# Allegro board 1151864-PCIE3_0_X16-166-20240802_20240815_2000_pcb.brd (continued)
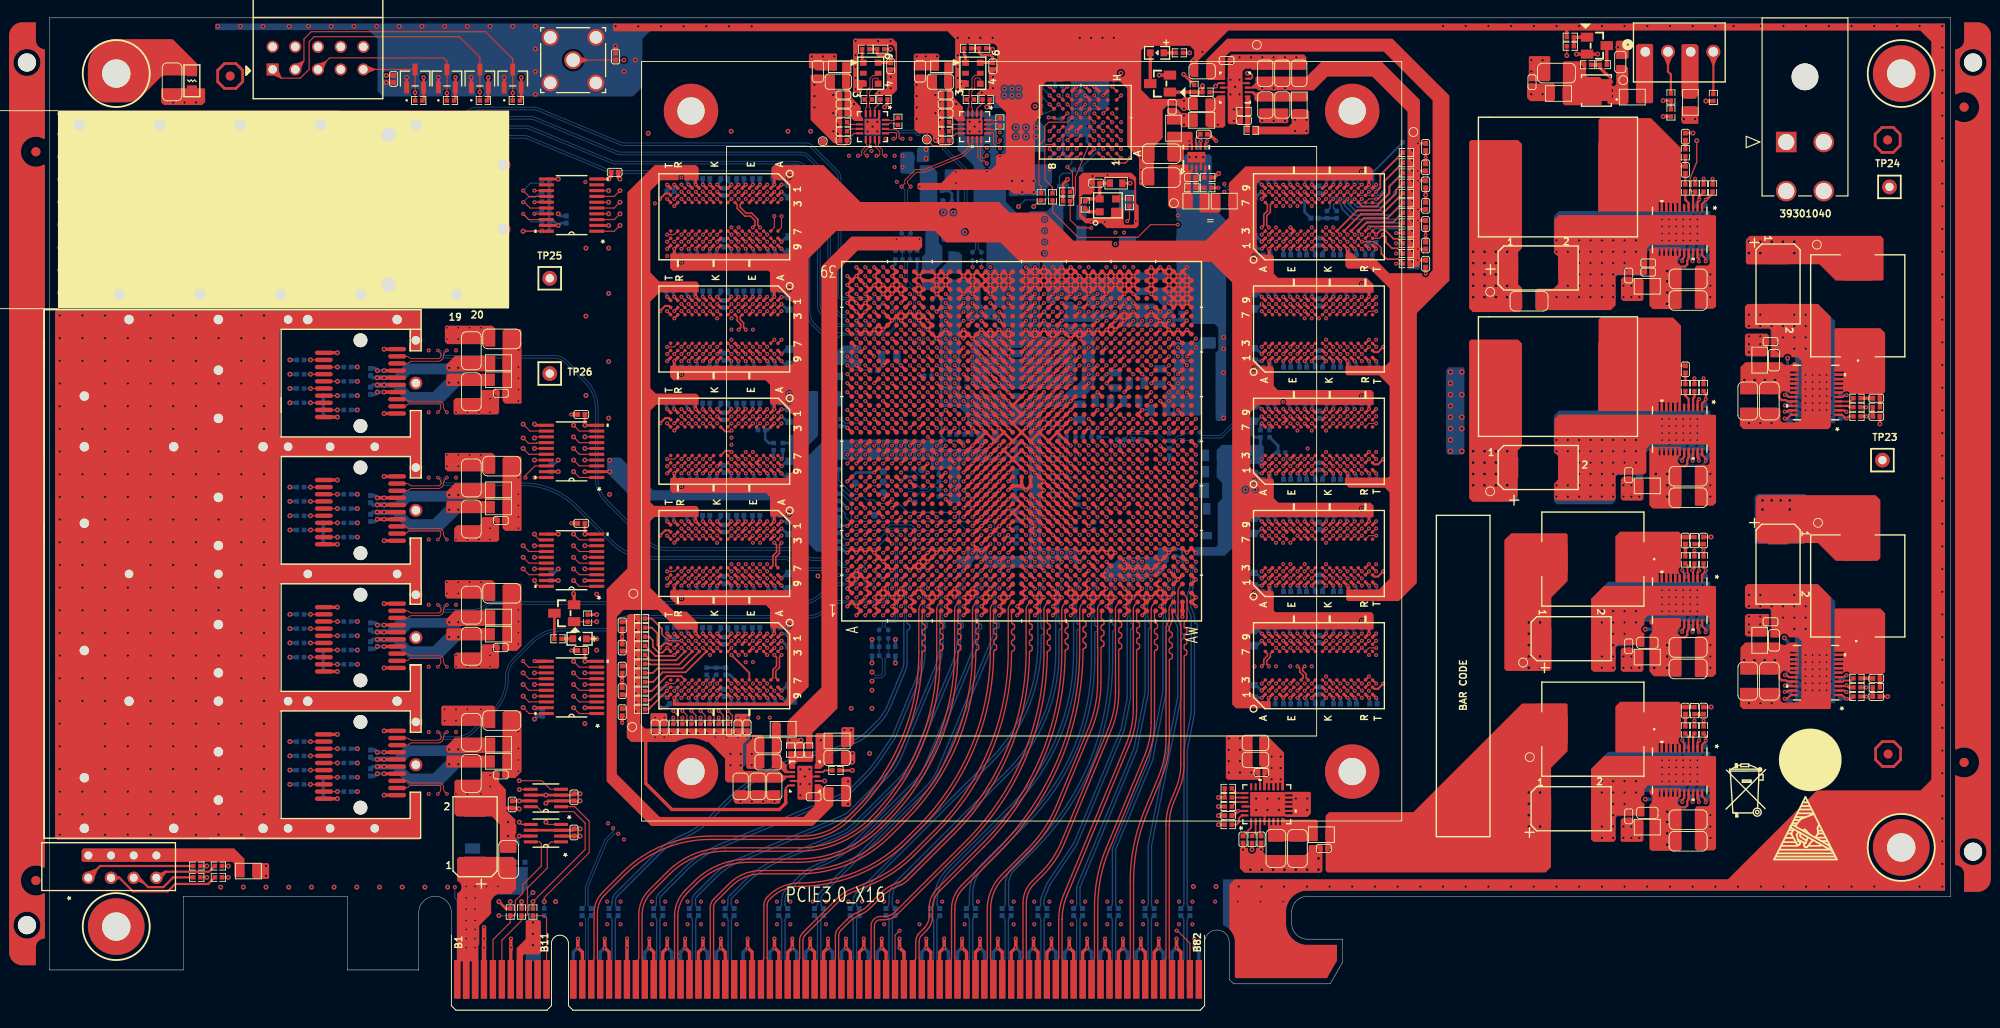
[diagram p0: board, top side]
## Routing (per net, layer and track width the routed paths; a pad name or vN(x,y) marks a point on that pad's centre or on a via; arc(x,y) is an arc through that point) (continued)
Net_141: length 0.7
  TOP w0.127: 92.82,63.73 v1(92.32,63.23)
Net_149: length 0.7
  TOP w0.127: 93.82,73.73 v1(93.32,74.23)
Net_153: length 0.7
  TOP w0.127: 94.82,71.73 v1(94.32,72.23)
Net_171: length 0.7
  TOP w0.127: 96.82,70.73 v1(96.32,71.23)
Net_173: length 0.7
  TOP w0.127: 96.82,79.73 v1(96.32,80.23)
Net_174: length 0.7
  TOP w0.127: 97.82,51.73 v1(97.32,51.23)
Net_199: length 0.7
  TOP w0.127: 100.82,78.73 v1(100.32,79.23)
Net_200: length 0.7
  TOP w0.127: 100.82,79.73 v1(100.32,80.23)
Net_208: length 0.7
  TOP w0.127: 102.82,57.73 v1(102.32,57.23)
Net_209: length 0.7
  TOP w0.127: 102.82,59.73 v1(102.32,59.23)
Net_210: length 0.7
  TOP w0.127: 102.82,61.73 v1(102.32,61.23)
Net_215: length 0.7
  TOP w0.127: 103.82,49.73 v1(103.32,49.23)
Net_221: length 0.7
  TOP w0.127: 105.82,49.73 v1(105.32,49.23)
Net_222: length 0.7
  TOP w0.127: 105.82,50.73 v1(105.32,50.23)
Net_227: length 0.7
  TOP w0.127: 107.82,49.73 v1(107.32,49.23)
Net_228: length 0.7
  TOP w0.127: 107.82,50.73 v1(107.32,50.23)
Net_1079: length 0.6
  TOP w0.127: 80.75,61.33 v1(81.15,60.93)
Net_1080: length 0.6
  TOP w0.127: 81.55,65.33 v1(81.95,65.73)
Net_1082: length 0.6
  TOP w0.127: 79.15,65.33 v1(79.55,65.73)
Net_1083: length 0.6
  TOP w0.127: 79.95,61.33 v1(80.35,60.93)
Net_1084: length 0.6
  TOP w0.127: 79.95,66.13 v1(80.35,66.53)
Net_1085: length 0.6
  TOP w0.127: 79.95,62.13 v1(80.35,61.73)
Net_1086: length 0.6
  TOP w0.127: 79.95,65.33 v1(80.35,65.73)
Net_1092: length 0.6
  TOP w0.127: 136.89,66.13 v1(136.49,66.53)
Net_1096: length 0.6
  TOP w0.127: 137.69,66.13 v1(137.29,66.53)
Net_1098: length 0.6
  TOP w0.127: 137.69,65.33 v1(137.29,65.73)
PCIE_PRSNT_N: length 23.6
  ART12 w0.086: v2(50.32,10.59) 51.03,11.3 51.03,14.53 50.47,15.09 45.77,15.09 45.39,14.71 v1(45.39,13.78)
  BOTTOM w0.127: R204.1 R205.1 v2(50.32,10.59) ; P2.A1 45.65,12.33 45.39,12.59 v1(45.39,13.78)
PCIE_REFCLK_N: length 79.3
  TOP w0.127: U1.AE6 v1(114.32,49.23)
  ART10 w0.084: v1(63.68,19.76) 63.68,20.07 65.07,21.46 94.29,21.46 114,41.17 114,42.61 114.08,42.69 114.17,42.69 114.25,42.78 114.25,42.95 114.17,43.03 114.08,43.03 114,43.11 114,43.45 113.92,43.53 113.92,49.55 114,49.64 114.24,49.64 114.32,49.55 v1(114.32,49.23)
  BOTTOM w0.102: C320.2 60.29,11.75 60.29,13.76 62.43,18.92 63.27,19.76 v1(63.68,19.76)
PCIE_REFCLK_P: length 79.3
  TOP w0.127: U1.AE7 v1(114.32,50.23)
  ART10 w0.084: v1(114.32,50.23) 114.32,49.91 114.24,49.82 113.93,49.82 113.73,49.63 113.73,43.53 113.65,43.45 113.65,41.31 94.15,21.81 64.93,21.81 63.49,20.37 v1(63.09,20.37)
  BOTTOM w0.102: C319.2 60,11.75 60,13.82 62.18,19.08 63.06,19.97 63.09,20 v1(63.09,20.37)
PCIE_RST_N: length 15.7
  TOP w0.127: v2(55.4,12.16) 55.4,12.61 60.43,17.64 60.43,21.17 58.81,22.79 U19.1
  BOTTOM w0.127: R203.2 v2(55.4,12.16)
PCIE_RXD_0_N: length 66.6
  TOP w0.15: P2.B15 61.65,5.13 arc(61.61,5.31) 61.51,5.47 61.49,5.49 arc(61.38,5.65) 61.34,5.84 61.34,10.9 arc(61.56,12) 62.19,12.94 64.41,15.16 arc(68.8,18.1) 73.99,19.13 84.27,19.13 arc(87.14,19.7) 89.57,21.32 90.17,21.92 arc(95.74,30.25) 97.69,40.08 arc(97.74,40.19) 97.85,40.24 97.86,40.24 arc(97.97,40.29) 98.02,40.41 98.02,40.68 arc(97.97,40.79) 97.86,40.84 97.85,40.84 arc(97.74,40.89) 97.69,41.01 97.69,41.28 arc(97.74,41.39) 97.85,41.44 97.86,41.44 arc(97.97,41.49) 98.02,41.6 98.02,41.88 arc(97.97,41.99) 97.86,42.04 97.85,42.04 arc(97.74,42.09) 97.69,42.2 97.69,42.48 arc(97.74,42.59) 97.85,42.64 97.86,42.64 arc(97.97,42.69) 98.02,42.8 98.02,43.08 arc(97.97,43.19) 97.86,43.24 97.85,43.24 arc(97.74,43.29) 97.69,43.4 97.69,44.52 arc(97.71,44.59) 97.75,44.65 U1.J1
PCIE_RXD_0_P: length 66.6
  TOP w0.15: P2.B14 60.65,5.14 arc(60.69,5.34) 60.8,5.51 60.82,5.53 arc(60.93,5.69) 60.97,5.89 60.97,10.9 arc(61.22,12.14) 61.93,13.2 64.15,15.42 arc(68.66,18.44) 73.99,19.5 84.27,19.5 arc(87,20.04) 89.31,21.59 89.91,22.18 arc(95.39,30.39) 97.32,40.08 97.32,44.89 arc(97.38,45.2) 97.56,45.47 U1.J2
PCIE_RXD_1_N: length 64
  TOP w0.15: U1.L1 99.75,44.65 arc(99.71,44.59) 99.69,44.52 99.69,43.52 arc(99.74,43.41) 99.86,43.36 arc(99.98,43.31) 100.03,43.19 100.03,42.92 arc(99.98,42.81) 99.86,42.76 arc(99.74,42.71) 99.69,42.59 99.69,42.33 arc(99.74,42.21) 99.86,42.16 arc(99.98,42.11) 100.03,41.99 100.03,41.73 arc(99.98,41.61) 99.86,41.56 arc(99.74,41.51) 99.69,41.39 99.69,41.13 arc(99.74,41.01) 99.86,40.96 arc(99.98,40.91) 100.03,40.79 100.03,40.53 arc(99.98,40.41) 99.86,40.36 arc(99.74,40.31) 99.69,40.19 99.69,39.57 arc(97.71,29.63) 92.08,21.2 arc(88.32,18.69) 83.89,17.81 75.63,17.81 arc(72.28,17.14) 69.45,15.25 67.39,13.19 arc(66.62,12.03) 66.34,10.66 66.34,5.84 arc(66.38,5.65) 66.49,5.49 66.51,5.47 arc(66.61,5.31) 66.65,5.13 P2.B20
PCIE_RXD_1_P: length 64
  TOP w0.15: P2.B19 65.65,5.14 arc(65.69,5.34) 65.8,5.51 65.82,5.53 arc(65.93,5.69) 65.97,5.89 65.97,10.66 arc(66.27,12.17) 67.13,13.45 69.19,15.51 arc(72.14,17.48) 75.63,18.18 83.89,18.18 arc(88.18,19.03) 91.82,21.46 arc(97.37,29.77) 99.32,39.57 99.32,44.89 arc(99.38,45.2) 99.56,45.47 U1.L2
PCIE_RXD_2_N: length 61.8
  TOP w0.15: P2.B24 70.65,5.13 arc(70.61,5.31) 70.51,5.47 70.49,5.49 arc(70.38,5.65) 70.34,5.84 70.34,6.3 70.34,10.54 arc(70.63,11.96) 71.43,13.17 72.39,14.12 arc(75.09,15.93) 78.28,16.56 83.82,16.56 arc(88.84,17.56) 93.1,20.4 93.81,21.12 arc(99.64,29.84) 101.69,40.14 arc(101.74,40.26) 101.86,40.31 arc(101.98,40.36) 102.03,40.48 102.03,40.74 arc(101.98,40.86) 101.86,40.91 arc(101.74,40.96) 101.69,41.08 101.69,41.34 arc(101.74,41.46) 101.86,41.51 arc(101.98,41.56) 102.03,41.68 102.03,41.94 arc(101.98,42.06) 101.86,42.11 arc(101.74,42.16) 101.69,42.28 101.69,42.54 arc(101.74,42.66) 101.86,42.71 arc(101.98,42.76) 102.03,42.88 102.03,43.14 arc(101.98,43.26) 101.86,43.31 arc(101.74,43.36) 101.69,43.48 101.69,44.52 arc(101.71,44.59) 101.75,44.65 U1.N1
PCIE_RXD_2_P: length 61.7
  TOP w0.15: U1.N2 101.56,45.47 arc(101.38,45.2) 101.32,44.89 101.32,40.14 arc(99.3,29.99) 93.55,21.38 92.84,20.67 arc(88.7,17.9) 83.82,16.93 78.28,16.93 arc(74.95,16.27) 72.13,14.38 71.17,13.43 arc(70.29,12.1) 69.97,10.54 69.97,6.45 69.97,6.45 69.97,5.89 arc(69.93,5.69) 69.82,5.53 69.8,5.51 arc(69.69,5.34) 69.65,5.14 P2.B23
PCIE_RXD_3_N: length 59.8
  TOP w0.15: U1.R1 103.75,44.65 arc(103.71,44.59) 103.69,44.52 103.69,43.52 arc(103.74,43.4) 103.85,43.36 arc(103.97,43.31) 104.01,43.19 104.01,42.92 arc(103.97,42.8) 103.85,42.76 arc(103.74,42.71) 103.69,42.6 103.69,42.32 arc(103.74,42.2) 103.85,42.16 arc(103.97,42.11) 104.01,42 104.01,41.72 arc(103.97,41.6) 103.85,41.56 arc(103.74,41.51) 103.69,41.4 103.69,41.12 arc(103.74,41) 103.85,40.96 arc(103.97,40.91) 104.01,40.8 104.01,40.52 arc(103.97,40.41) 103.85,40.36 arc(103.74,40.31) 103.69,40.2 103.69,40.2 arc(101.65,29.91) 95.82,21.2 94.11,19.48 arc(89.44,16.36) 83.93,15.27 79.68,15.27 arc(77.86,14.9) 76.33,13.88 74.61,12.16 arc(74.41,11.87) 74.34,11.52 74.34,5.84 arc(74.38,5.65) 74.49,5.49 74.51,5.47 arc(74.61,5.31) 74.65,5.13 P2.B28
PCIE_RXD_3_P: length 59.8
  TOP w0.15: U1.R2 103.56,45.47 arc(103.38,45.2) 103.32,44.89 103.32,40.2 arc(101.3,30.06) 95.56,21.46 93.85,19.74 arc(89.29,16.7) 83.93,15.64 79.68,15.64 arc(77.72,15.25) 76.06,14.14 74.35,12.42 arc(74.07,12.01) 73.97,11.52 73.97,5.89 arc(73.93,5.69) 73.82,5.53 73.8,5.51 arc(73.69,5.34) 73.65,5.14 P2.B27
PCIE_RXD_4_N: length 56.1
  TOP w0.15: P2.B34 80.65,5.13 arc(80.61,5.31) 80.51,5.47 80.49,5.49 arc(80.38,5.65) 80.34,5.84 80.34,11.77 arc(80.41,12.12) 80.61,12.41 80.74,12.54 arc(82.21,13.52) 83.95,13.87 arc(90.49,15.17) 96.04,18.88 97.44,20.28 arc(103.55,29.41) 105.69,40.19 105.69,40.19 arc(105.74,40.31) 105.86,40.36 arc(105.97,40.4) 106.02,40.52 106.02,40.79 arc(105.97,40.91) 105.86,40.95 arc(105.74,41) 105.69,41.12 105.69,41.39 arc(105.74,41.51) 105.86,41.55 arc(105.97,41.6) 106.02,41.72 106.02,41.99 arc(105.97,42.11) 105.86,42.15 arc(105.74,42.2) 105.69,42.32 105.69,42.59 arc(105.74,42.7) 105.86,42.75 arc(105.97,42.8) 106.02,42.92 106.02,43.19 arc(105.97,43.3) 105.86,43.35 arc(105.74,43.4) 105.69,43.52 105.69,44.58 105.72,44.62 arc(105.73,44.64) 105.75,44.66 U1.U1
PCIE_RXD_4_P: length 56.1
  TOP w0.15: U1.U2 105.56,45.47 arc(105.38,45.2) 105.32,44.89 105.32,40.19 arc(103.2,29.56) 97.18,20.54 95.78,19.14 arc(90.35,15.51) 83.95,14.24 arc(82.07,13.87) 80.47,12.8 80.35,12.67 arc(80.07,12.26) 79.97,11.77 79.97,5.89 arc(79.93,5.69) 79.82,5.53 79.8,5.51 arc(79.69,5.34) 79.65,5.14 P2.B33
PCIE_RXD_5_N: length 52.3
  TOP w0.15: P2.B38 84.65,5.13 arc(84.61,5.31) 84.51,5.47 84.49,5.49 arc(84.38,5.65) 84.34,5.84 84.34,7.8 arc(84.41,8.14) 84.61,8.43 88.44,12.27 arc(89.07,12.78) 89.79,13.17 91.85,14.02 arc(94.46,15.41) 96.74,17.28 99.3,19.85 arc(105.51,29.14) 107.69,40.1 arc(107.74,40.22) 107.86,40.27 arc(107.98,40.32) 108.03,40.44 108.03,40.7 arc(107.98,40.82) 107.86,40.87 arc(107.74,40.92) 107.69,41.04 107.69,41.3 arc(107.74,41.42) 107.86,41.47 arc(107.98,41.52) 108.03,41.64 108.03,41.9 arc(107.98,42.02) 107.86,42.07 arc(107.74,42.12) 107.69,42.24 107.69,42.5 arc(107.74,42.62) 107.86,42.67 arc(107.98,42.72) 108.03,42.84 108.03,43.1 arc(107.98,43.22) 107.86,43.27 arc(107.74,43.32) 107.69,43.44 107.69,44.52 arc(107.71,44.59) 107.75,44.65 U1.W1
PCIE_RXD_5_P: length 52.3
  TOP w0.15: U1.W2 107.56,45.47 arc(107.38,45.2) 107.32,44.89 107.32,40.1 arc(105.17,29.28) 99.04,20.11 96.47,17.55 arc(94.25,15.72) 91.71,14.37 89.65,13.51 arc(88.86,13.09) 88.18,12.53 84.35,8.7 arc(84.07,8.28) 83.97,7.8 83.97,5.89 arc(83.93,5.69) 83.82,5.53 83.8,5.51 arc(83.69,5.34) 83.65,5.14 P2.B37
PCIE_RXD_6_N: length 50.8
  TOP w0.15: P2.B42 88.65,5.13 arc(88.61,5.31) 88.51,5.47 88.49,5.49 arc(88.38,5.65) 88.34,5.84 88.34,8.32 arc(88.41,8.66) 88.6,8.95 89.51,9.85 arc(90.09,10.33) 90.75,10.68 90.75,10.68 arc(91.34,11) 91.85,11.42 93.19,12.75 arc(93.93,13.36) 94.78,13.82 95.3,14.03 arc(95.71,14.25) 96.08,14.55 101.26,19.74 arc(107.5,29.07) 109.69,40.09 109.69,40.09 arc(109.74,40.2) 109.85,40.25 arc(109.96,40.29) 110.01,40.41 110.01,40.69 arc(109.96,40.8) 109.85,40.85 arc(109.74,40.89) 109.69,41 109.69,41.29 arc(109.74,41.4) 109.85,41.45 arc(109.96,41.49) 110.01,41.6 110.01,41.89 arc(109.96,42) 109.85,42.05 arc(109.74,42.09) 109.69,42.2 109.69,42.49 arc(109.74,42.6) 109.85,42.65 arc(109.96,42.69) 110.01,42.8 110.01,43.09 arc(109.96,43.2) 109.85,43.24 arc(109.74,43.29) 109.69,43.4 109.69,44.52 arc(109.71,44.59) 109.75,44.65 U1.AA1
PCIE_RXD_6_P: length 50.8
  TOP w0.15: U1.AA2 109.56,45.47 arc(109.38,45.2) 109.32,44.89 109.32,40.09 arc(107.16,29.22) 101,20 95.81,14.81 arc(95.51,14.56) 95.16,14.38 94.63,14.16 arc(93.72,13.67) 92.92,13.02 91.59,11.68 arc(91.13,11.31) 90.61,11.03 90.61,11.03 arc(89.88,10.64) 89.25,10.12 88.35,9.22 arc(88.07,8.8) 87.97,8.32 87.97,5.89 arc(87.93,5.69) 87.82,5.53 87.8,5.51 arc(87.69,5.34) 87.65,5.14 P2.B41
PCIE_RXD_7_N: length 50
  TOP w0.15: P2.B46 92.65,5.13 arc(92.61,5.31) 92.51,5.47 92.49,5.49 arc(92.38,5.65) 92.34,5.84 92.34,9.45 arc(92.54,9.92) 93.02,10.12 93.44,10.12 arc(94.23,10.28) 94.91,10.73 102.79,18.61 arc(109.38,28.47) 111.69,40.11 111.69,40.11 arc(111.74,40.22) 111.85,40.27 arc(111.97,40.32) 112.01,40.43 112.01,40.71 arc(111.97,40.82) 111.85,40.87 arc(111.74,40.92) 111.69,41.03 111.69,41.31 arc(111.74,41.42) 111.85,41.47 arc(111.97,41.51) 112.01,41.63 112.01,41.91 arc(111.97,42.02) 111.85,42.07 arc(111.74,42.11) 111.69,42.23 111.69,42.5 arc(111.74,42.62) 111.85,42.67 arc(111.97,42.71) 112.01,42.83 112.01,43.1 arc(111.97,43.22) 111.85,43.27 arc(111.74,43.31) 111.69,43.43 111.69,44.52 arc(111.71,44.59) 111.75,44.65 U1.AC1
PCIE_RXD_7_P: length 50
  TOP w0.15: U1.AC2 111.56,45.47 arc(111.38,45.2) 111.32,44.89 111.32,40.11 arc(109.03,28.62) 102.53,18.87 94.64,10.99 arc(94.09,10.62) 93.44,10.49 93.02,10.49 arc(92.28,10.19) 91.97,9.45 91.97,5.89 arc(91.93,5.69) 91.82,5.53 91.8,5.51 arc(91.69,5.34) 91.65,5.14 P2.B45
PCIE_RXD_8_N: length 47.7
  TOP w0.15: U1.AE1 113.75,44.65 arc(113.71,44.59) 113.69,44.52 113.69,43.56 arc(113.74,43.45) 113.86,43.4 arc(113.97,43.35) 114.02,43.23 114.02,42.96 arc(113.97,42.85) 113.86,42.8 arc(113.74,42.75) 113.69,42.64 113.69,42.36 arc(113.74,42.25) 113.86,42.2 arc(113.97,42.15) 114.02,42.04 114.02,41.77 arc(113.97,41.65) 113.86,41.6 arc(113.74,41.55) 113.69,41.44 113.69,41.17 arc(113.74,41.05) 113.86,41 arc(113.97,40.95) 114.02,40.84 114.02,40.57 arc(113.97,40.45) 113.86,40.4 arc(113.74,40.35) 113.69,40.24 113.69,40.24 arc(111.33,28.37) 104.61,18.31 99.59,13.29 arc(99.04,12.47) 98.85,11.49 98.85,10.56 arc(98.67,9.66) 98.16,8.91 97.63,8.38 arc(97.42,8.06) 97.34,7.68 97.34,5.84 arc(97.38,5.65) 97.49,5.49 97.51,5.47 arc(97.61,5.31) 97.65,5.13 P2.B51
PCIE_RXD_8_P: length 47.7
  TOP w0.15: U1.AE2 113.56,45.47 arc(113.38,45.2) 113.32,44.89 113.32,40.24 arc(110.99,28.51) 104.35,18.57 99.33,13.55 arc(98.7,12.61) 98.48,11.49 98.48,10.56 arc(98.33,9.81) 97.9,9.17 97.2,8.46 97.2,8.42 arc(97.03,8.07) 96.97,7.68 96.97,5.89 arc(96.93,5.69) 96.82,5.53 96.8,5.51 arc(96.69,5.34) 96.65,5.14 P2.B50
PCIE_RXD_9_N: length 47
  TOP w0.15: U1.AG1 115.75,44.65 arc(115.71,44.59) 115.69,44.52 115.69,43.71 arc(115.74,43.59) 115.86,43.54 arc(115.98,43.49) 116.03,43.37 116.03,43.11 arc(115.98,42.99) 115.86,42.94 arc(115.74,42.89) 115.69,42.77 115.69,42.51 arc(115.74,42.39) 115.86,42.34 arc(115.98,42.29) 116.03,42.17 116.03,41.91 arc(115.98,41.79) 115.86,41.74 arc(115.74,41.69) 115.69,41.57 115.69,41.31 arc(115.74,41.19) 115.86,41.14 arc(115.98,41.09) 116.03,40.98 116.03,40.71 arc(115.98,40.59) 115.86,40.54 arc(115.74,40.49) 115.69,40.38 arc(113.24,28.06) 106.26,17.62 102.33,13.68 arc(101.6,12.59) 101.34,11.31 101.34,5.84 arc(101.38,5.65) 101.49,5.49 101.51,5.47 arc(101.61,5.31) 101.65,5.13 P2.B55
PCIE_RXD_9_P: length 47
  TOP w0.15: P2.B54 100.65,5.14 arc(100.69,5.34) 100.8,5.51 100.82,5.53 arc(100.93,5.69) 100.97,5.89 100.97,11.31 arc(101.26,12.73) 102.07,13.95 106,17.88 arc(112.9,28.2) 115.32,40.38 115.32,44.89 arc(115.38,45.2) 115.56,45.47 U1.AG2
PCIE_RXD_10_N: length 46
  TOP w0.15: U1.AJ1 117.74,44.64 arc(117.73,44.63) 117.72,44.63 117.72,43.91 arc(117.76,43.8) 117.88,43.75 arc(117.99,43.7) 118.04,43.59 118.04,43.31 arc(117.99,43.2) 117.88,43.15 arc(117.76,43.1) 117.72,42.99 117.71,42.71 arc(117.76,42.6) 117.88,42.55 arc(117.99,42.5) 118.04,42.39 118.04,42.11 arc(117.99,42) 117.87,41.95 arc(117.76,41.9) 117.71,41.79 117.71,41.51 arc(117.76,41.4) 117.87,41.35 arc(117.99,41.3) 118.03,41.19 118.03,40.91 arc(117.99,40.8) 117.87,40.75 arc(117.76,40.7) 117.71,40.59 117.7,36.74 arc(117.43,34.05) 116.64,31.46 113.04,22.76 arc(111.61,20.08) 109.68,17.73 106.83,14.88 arc(105.73,13.24) 105.34,11.3 105.34,5.84 arc(105.38,5.65) 105.49,5.49 105.51,5.47 arc(105.61,5.31) 105.65,5.13 P2.B59
PCIE_RXD_10_P: length 46
  TOP w0.15: P2.B58 104.65,5.14 arc(104.69,5.34) 104.8,5.51 104.82,5.53 arc(104.93,5.69) 104.97,5.89 104.97,11.3 arc(105.39,13.38) 106.57,15.14 109.42,18 arc(111.3,20.29) 112.7,22.91 116.3,31.6 arc(117.07,34.12) 117.33,36.74 117.34,40.59 117.32,40.61 117.32,44.89 arc(117.38,45.2) 117.56,45.47 U1.AJ2
PCIE_RXD_11_N: length 45.1
  TOP w0.15: P2.B63 109.65,5.13 arc(109.61,5.31) 109.51,5.47 109.49,5.49 arc(109.38,5.65) 109.34,5.84 109.34,12.01 arc(109.58,13.17) 110.23,14.16 111.25,15.17 arc(112.59,16.81) 113.59,18.67 118.86,31.38 arc(119.48,33.44) 119.69,35.59 119.69,40.32 arc(119.74,40.43) 119.85,40.48 119.85,40.48 arc(119.97,40.52) 120.02,40.64 120.02,40.91 arc(119.97,41.03) 119.85,41.08 119.85,41.08 arc(119.74,41.12) 119.69,41.24 119.69,41.51 arc(119.74,41.63) 119.85,41.68 119.85,41.68 arc(119.97,41.72) 120.02,41.84 120.02,42.11 arc(119.97,42.23) 119.85,42.28 119.85,42.28 arc(119.74,42.32) 119.69,42.44 119.69,42.71 arc(119.74,42.83) 119.85,42.87 119.85,42.87 arc(119.97,42.92) 120.02,43.04 120.02,43.31 arc(119.97,43.43) 119.85,43.47 119.85,43.47 arc(119.74,43.52) 119.69,43.64 119.69,44.52 arc(119.71,44.59) 119.75,44.65 U1.AL1
PCIE_RXD_11_P: length 45.1
  TOP w0.15: P2.B62 108.65,5.14 arc(108.69,5.34) 108.8,5.51 108.82,5.53 arc(108.93,5.69) 108.97,5.89 108.97,12.01 arc(109.23,13.31) 109.97,14.42 110.99,15.43 arc(112.28,17.01) 113.25,18.81 118.51,31.53 arc(119.12,33.52) 119.32,35.59 119.32,44.91 arc(119.38,45.2) 119.54,45.45 U1.AL2
PCIE_RXD_12_N: length 44.1
  TOP w0.15: U1.AN1 121.75,44.65 arc(121.71,44.59) 121.69,44.52 121.69,43.62 arc(121.74,43.5) 121.86,43.46 arc(121.97,43.41) 122.02,43.29 122.02,43.02 arc(121.97,42.9) 121.86,42.86 arc(121.74,42.81) 121.69,42.69 121.69,42.42 arc(121.74,42.3) 121.86,42.26 arc(121.97,42.21) 122.02,42.09 122.02,41.82 arc(121.97,41.71) 121.86,41.66 arc(121.74,41.61) 121.69,41.49 121.69,41.22 arc(121.74,41.11) 121.86,41.06 arc(121.97,41.01) 122.02,40.89 122.02,40.62 arc(121.97,40.51) 121.86,40.46 arc(121.74,40.41) 121.69,40.29 121.69,33.75 arc(121.49,31.71) 120.9,29.75 113.87,12.79 arc(113.48,11.49) 113.34,10.15 113.34,5.84 arc(113.38,5.65) 113.49,5.49 113.51,5.47 arc(113.61,5.31) 113.65,5.13 P2.B67
PCIE_RXD_12_P: length 44.1
  TOP w0.15: P2.B66 112.65,5.14 arc(112.69,5.34) 112.8,5.51 112.82,5.53 arc(112.93,5.69) 112.97,5.89 112.97,10.15 arc(113.11,11.57) 113.53,12.93 120.55,29.89 arc(121.13,31.78) 121.32,33.75 121.32,44.89 arc(121.38,45.2) 121.56,45.47 U1.AN2
PCIE_RXD_13_N: length 43.7
  TOP w0.15: P2.B71 117.65,5.13 arc(117.61,5.31) 117.51,5.47 117.49,5.49 arc(117.38,5.65) 117.34,5.84 117.34,11.61 arc(117.66,14.85) 118.61,17.96 122.93,28.4 arc(123.5,30.27) 123.69,32.22 123.69,40.17 arc(123.74,40.29) 123.86,40.34 arc(123.98,40.39) 124.03,40.51 124.03,40.77 arc(123.98,40.89) 123.86,40.94 arc(123.74,40.99) 123.69,41.11 123.69,41.37 arc(123.74,41.49) 123.86,41.54 arc(123.98,41.59) 124.03,41.71 124.03,41.97 arc(123.98,42.09) 123.86,42.14 arc(123.74,42.19) 123.69,42.31 123.69,42.57 arc(123.74,42.69) 123.86,42.74 arc(123.98,42.79) 124.03,42.91 124.03,43.17 arc(123.98,43.29) 123.86,43.34 arc(123.74,43.39) 123.69,43.51 123.69,44.52 arc(123.71,44.59) 123.75,44.65 U1.AR1
PCIE_RXD_13_P: length 43.7
  TOP w0.15: P2.B70 116.65,5.14 arc(116.69,5.34) 116.8,5.51 116.82,5.53 arc(116.93,5.69) 116.97,5.89 116.97,11.61 arc(117.3,14.92) 118.26,18.1 122.59,28.54 arc(123.14,30.35) 123.32,32.22 123.32,44.89 arc(123.38,45.2) 123.56,45.47 U1.AR2
PCIE_RXD_14_N: length 43.2
  TOP w0.15: P2.B75 121.65,5.13 arc(121.61,5.31) 121.51,5.47 121.49,5.49 arc(121.38,5.65) 121.34,5.84 121.34,14.4 arc(121.74,18.37) 122.89,22.18 124.49,26.05 arc(125.13,28.16) 125.35,30.35 125.35,39.19 arc(125.4,39.31) 125.51,39.36 arc(125.63,39.41) 125.68,39.52 125.68,39.79 arc(125.63,39.91) 125.51,39.96 arc(125.4,40) 125.35,40.12 125.35,40.39 arc(125.4,40.51) 125.51,40.56 arc(125.63,40.6) 125.68,40.72 125.68,40.99 arc(125.63,41.11) 125.51,41.16 arc(125.4,41.2) 125.35,41.32 125.35,41.59 arc(125.4,41.71) 125.51,41.75 arc(125.63,41.8) 125.68,41.92 125.68,42.19 arc(125.63,42.31) 125.51,42.35 arc(125.4,42.4) 125.35,42.52 125.35,42.85 125.69,43.67 125.69,44.52 arc(125.71,44.59) 125.75,44.65 U1.AU1
PCIE_RXD_14_P: length 43.2
  TOP w0.15: P2.B74 120.65,5.14 arc(120.69,5.34) 120.8,5.51 120.82,5.53 arc(120.93,5.69) 120.97,5.89 120.97,14.4 arc(121.37,18.44) 122.55,22.33 124.15,26.19 arc(124.77,28.23) 124.98,30.35 124.98,42.92 125.32,43.75 125.32,44.89 arc(125.38,45.2) 125.56,45.47 U1.AU2
PCIE_RXD_15_N: length 44.9
  TOP w0.15: U1.AV3 127.08,46.47 arc(127.26,46.2) 127.32,45.89 127.32,43.97 arc(127.28,43.78) 127.18,43.62 127.15,43.6 arc(127.05,43.44) 127.01,43.26 127.01,42.91 arc(127.05,42.81) 127.16,42.77 arc(127.26,42.72) 127.3,42.62 127.3,42.31 arc(127.26,42.21) 127.16,42.17 arc(127.05,42.12) 127.01,42.02 127.01,41.71 arc(127.05,41.61) 127.16,41.57 arc(127.26,41.52) 127.3,41.42 127.3,41.11 arc(127.26,41.01) 127.16,40.97 arc(127.05,40.92) 127.01,40.82 127.01,40.52 arc(127.05,40.41) 127.16,40.37 arc(127.26,40.33) 127.3,40.22 127.3,39.92 arc(127.26,39.81) 127.16,39.77 arc(127.05,39.73) 127.01,39.62 127.01,27.59 arc(126.87,26.14) 126.44,24.74 125.84,23.29 arc(125.47,22.06) 125.34,20.78 125.34,5.84 arc(125.38,5.65) 125.49,5.49 125.51,5.47 arc(125.61,5.31) 125.65,5.13 P2.B79
PCIE_RXD_15_P: length 44.9
  TOP w0.15: U1.AV4 126.56,47.47 arc(126.38,47.2) 126.32,46.89 126.32,43.98 arc(126.36,43.79) 126.47,43.62 126.49,43.6 arc(126.6,43.43) 126.64,43.24 126.64,27.59 arc(126.5,26.21) 126.1,24.88 125.5,23.43 arc(125.11,22.13) 124.97,20.78 124.97,5.89 arc(124.93,5.69) 124.82,5.53 124.8,5.51 arc(124.69,5.34) 124.65,5.14 P2.B78
PCIE_SMCLK: length 19
  TOP w0.127: U18.8 54.87,18.85 55.07,18.66 55.07,16.14 52.98,14.06 52.98,13.1 52.15,12.26 52.15,10.71 52.02,10.59 R200.2 51.59,9.82 49.66,7.89 49.66,3.46 P2.B5
PCIE_SMDAT: length 19.1
  TOP w0.127: P2.B6 50.65,7.83 52.86,10.03 R199.2 53.39,10.59 53.52,10.71 53.52,13.71 55.73,15.92 55.73,18.4 56.17,18.85 U18.1
PCIE_TXD_0_N: length 55.4
  TOP w0.127: U1.H4 v1(96.32,47.23)
  BOTTOM w0.102: v1(96.32,47.23) 96.32,47.44 arc(96.26,47.57) 96.13,47.63 96.11,47.63 arc(95.98,47.57) 95.92,47.44 95.92,43.89 arc(95.93,43.84) 95.96,43.8 96.01,43.75 96.01,43.73
  BOTTOM w0.15: C322.1 63.5,11.54 arc(63.4,11.69) 63.36,11.86 63.36,12.19 63.36,12.19 arc(63.43,12.53) 63.63,12.83 68.29,17.49 arc(69.49,18.47) 70.86,19.21 70.87,19.21 arc(72.62,20.15) 74.15,21.41 75.77,23.02 arc(78.86,25.56) 82.4,27.45 84.37,28.27 arc(85.09,28.49) 85.84,28.56 86.41,28.56 arc(86.91,28.61) 87.38,28.75 90.19,29.92 arc(91.01,30.35) 91.72,30.94 92.9,32.12 arc(93.6,32.97) 94.12,33.94 95.83,38.07 arc(95.96,38.5) 96.01,38.96 96.01,42.47 arc(96.05,42.58) 96.16,42.63 arc(96.27,42.67) 96.32,42.78 96.32,43.07 arc(96.27,43.18) 96.16,43.23 arc(96.05,43.27) 96.01,43.38 96.01,43.73
PCIE_TXD_0_P: length 55.4
  TOP w0.127: U1.H5 v1(96.32,48.23)
  BOTTOM w0.102: v1(96.32,48.23) 96.32,48.02 arc(96.27,47.89) 96.13,47.83 96.11,47.83 arc(95.83,47.72) 95.72,47.44 95.72,43.89 arc(95.71,43.84) 95.68,43.8 95.63,43.75 95.63,43.73
  BOTTOM w0.15: 95.63,43.73 95.63,38.96 arc(95.6,38.58) 95.49,38.21 93.78,34.09 arc(93.29,33.18) 92.64,32.38 91.46,31.2 arc(90.8,30.66) 90.05,30.26 87.24,29.09 arc(86.83,28.97) 86.41,28.93 85.84,28.93 arc(85.02,28.85) 84.23,28.61 82.26,27.79 arc(78.66,25.87) 75.5,23.28 73.89,21.67 arc(72.41,20.46) 70.73,19.55 70.73,19.55 arc(69.29,18.78) 68.03,17.75 63.36,13.09 arc(63.09,12.68) 62.99,12.19 62.99,11.98 arc(62.95,11.76) 62.82,11.58 C321.1
PCIE_TXD_1_N: length 53.4
  TOP w0.127: U1.K4 v1(98.32,47.23)
  BOTTOM w0.102: v1(98.32,47.23) 98.32,47.44 arc(98.26,47.57) 98.13,47.63 98.12,47.63 arc(97.98,47.57) 97.92,47.43 97.92,44 arc(97.93,43.95) 97.96,43.91 98.01,43.87 98.01,43.84
  BOTTOM w0.15: 98.01,43.84 98.01,43.54 arc(98.04,43.45) 98.14,43.41 arc(98.23,43.37) 98.27,43.27 98.27,42.94 arc(98.23,42.85) 98.14,42.81 arc(98.04,42.77) 98.01,42.67 98.01,42.5 98.01,42.49 98.01,40.23 arc(97.85,38.61) 97.38,37.06 94.66,30.5 93.05,28.08 arc(92.24,26.99) 91.32,25.97 89.52,24.17 75.2,18.24 arc(73.14,17.14) 71.34,15.66 68.49,12.81 arc(68.36,12.62) 68.31,12.39 68.31,11.95 arc(68.35,11.74) 68.47,11.57 C324.1
PCIE_TXD_1_P: length 53.4
  TOP w0.127: U1.K5 v1(98.32,48.23)
  BOTTOM w0.102: v1(98.32,48.23) 98.32,48.02 arc(98.27,47.89) 98.13,47.83 98.12,47.83 arc(97.84,47.71) 97.72,47.43 97.72,44 arc(97.71,43.95) 97.68,43.91 97.63,43.87 97.63,43.84
  BOTTOM w0.15: C323.1 67.8,11.55 arc(67.9,11.71) 67.94,11.9 67.94,12.39 arc(68.01,12.76) 68.22,13.07 71.08,15.93 arc(72.93,17.45) 75.05,18.58 89.31,24.49 91.06,26.24 arc(91.95,27.22) 92.74,28.29 94.33,30.67 97.04,37.2 arc(97.49,38.69) 97.64,40.23 97.64,42.41 97.63,42.43 97.63,43.84
PCIE_TXD_2_N: length 51.7
  TOP w0.127: U1.M4 v1(100.32,47.23)
  BOTTOM w0.102: v1(100.32,47.23) 100.32,47.44 arc(100.26,47.57) 100.13,47.63 100.13,47.63 arc(99.98,47.57) 99.92,47.42 99.92,44 arc(99.93,43.95) 99.96,43.91 100.01,43.87 100.01,43.84
  BOTTOM w0.15: 100.01,43.84 100.01,43.54 arc(100.04,43.45) 100.13,43.41 arc(100.22,43.38) 100.25,43.29 100.25,42.94 arc(100.22,42.85) 100.13,42.81 arc(100.04,42.78) 100.01,42.69 100.01,41.09 arc(99.86,39.61) 99.43,38.19 95.42,28.51 arc(94.7,27.17) 93.74,26 89.92,22.18 arc(89.36,21.72) 88.71,21.37 77.27,16.63 arc(75.86,15.88) 74.62,14.86 72.46,12.7 arc(72.35,12.54) 72.31,12.35 72.31,11.95 arc(72.35,11.74) 72.47,11.57 C326.1
PCIE_TXD_2_P: length 51.7
  TOP w0.127: U1.M5 v1(100.32,48.23)
  BOTTOM w0.102: v1(100.32,48.23) 100.32,48.02 arc(100.26,47.89) 100.13,47.83 100.13,47.83 arc(99.84,47.71) 99.72,47.42 99.72,44 arc(99.71,43.95) 99.68,43.91 99.63,43.87 99.63,43.84
  BOTTOM w0.15: C325.1 71.8,11.55 arc(71.9,11.71) 71.94,11.9 71.94,12.35 arc(72.01,12.68) 72.2,12.96 74.36,15.12 arc(75.65,16.19) 77.13,16.98 88.57,21.72 arc(89.15,22.03) 89.66,22.44 93.48,26.26 arc(94.4,27.38) 95.08,28.65 99.09,38.33 arc(99.5,39.68) 99.63,41.09 99.63,43.84
PCIE_TXD_3_N: length 49.8
  TOP w0.127: U1.P4 v1(102.32,47.23)
  BOTTOM w0.102: v1(102.32,47.23) 102.32,47.53 arc(102.29,47.6) 102.22,47.63 102.14,47.63 arc(101.99,47.56) 101.92,47.41 101.92,44 arc(101.93,43.95) 101.96,43.91 102.01,43.86 102.01,43.84
  BOTTOM w0.15: C328.1 76.47,11.57 arc(76.35,11.74) 76.31,11.95 76.31,12.31 arc(76.34,12.47) 76.43,12.6 77.92,14.09 arc(79.77,15.61) 81.89,16.74 88.45,19.46 arc(89.46,20) 90.35,20.73 95.23,25.61 arc(96.34,26.97) 97.17,28.51 101.31,38.51 arc(101.83,40.22) 102.01,41.99 102.01,42.66 arc(102.05,42.76) 102.15,42.8 arc(102.24,42.84) 102.29,42.94 102.29,43.26 arc(102.24,43.36) 102.15,43.4 arc(102.05,43.44) 102.01,43.54 102.01,43.84